# Altium PCB RS2-708_V008.PcbDoc (part 1 of 4) (continued)
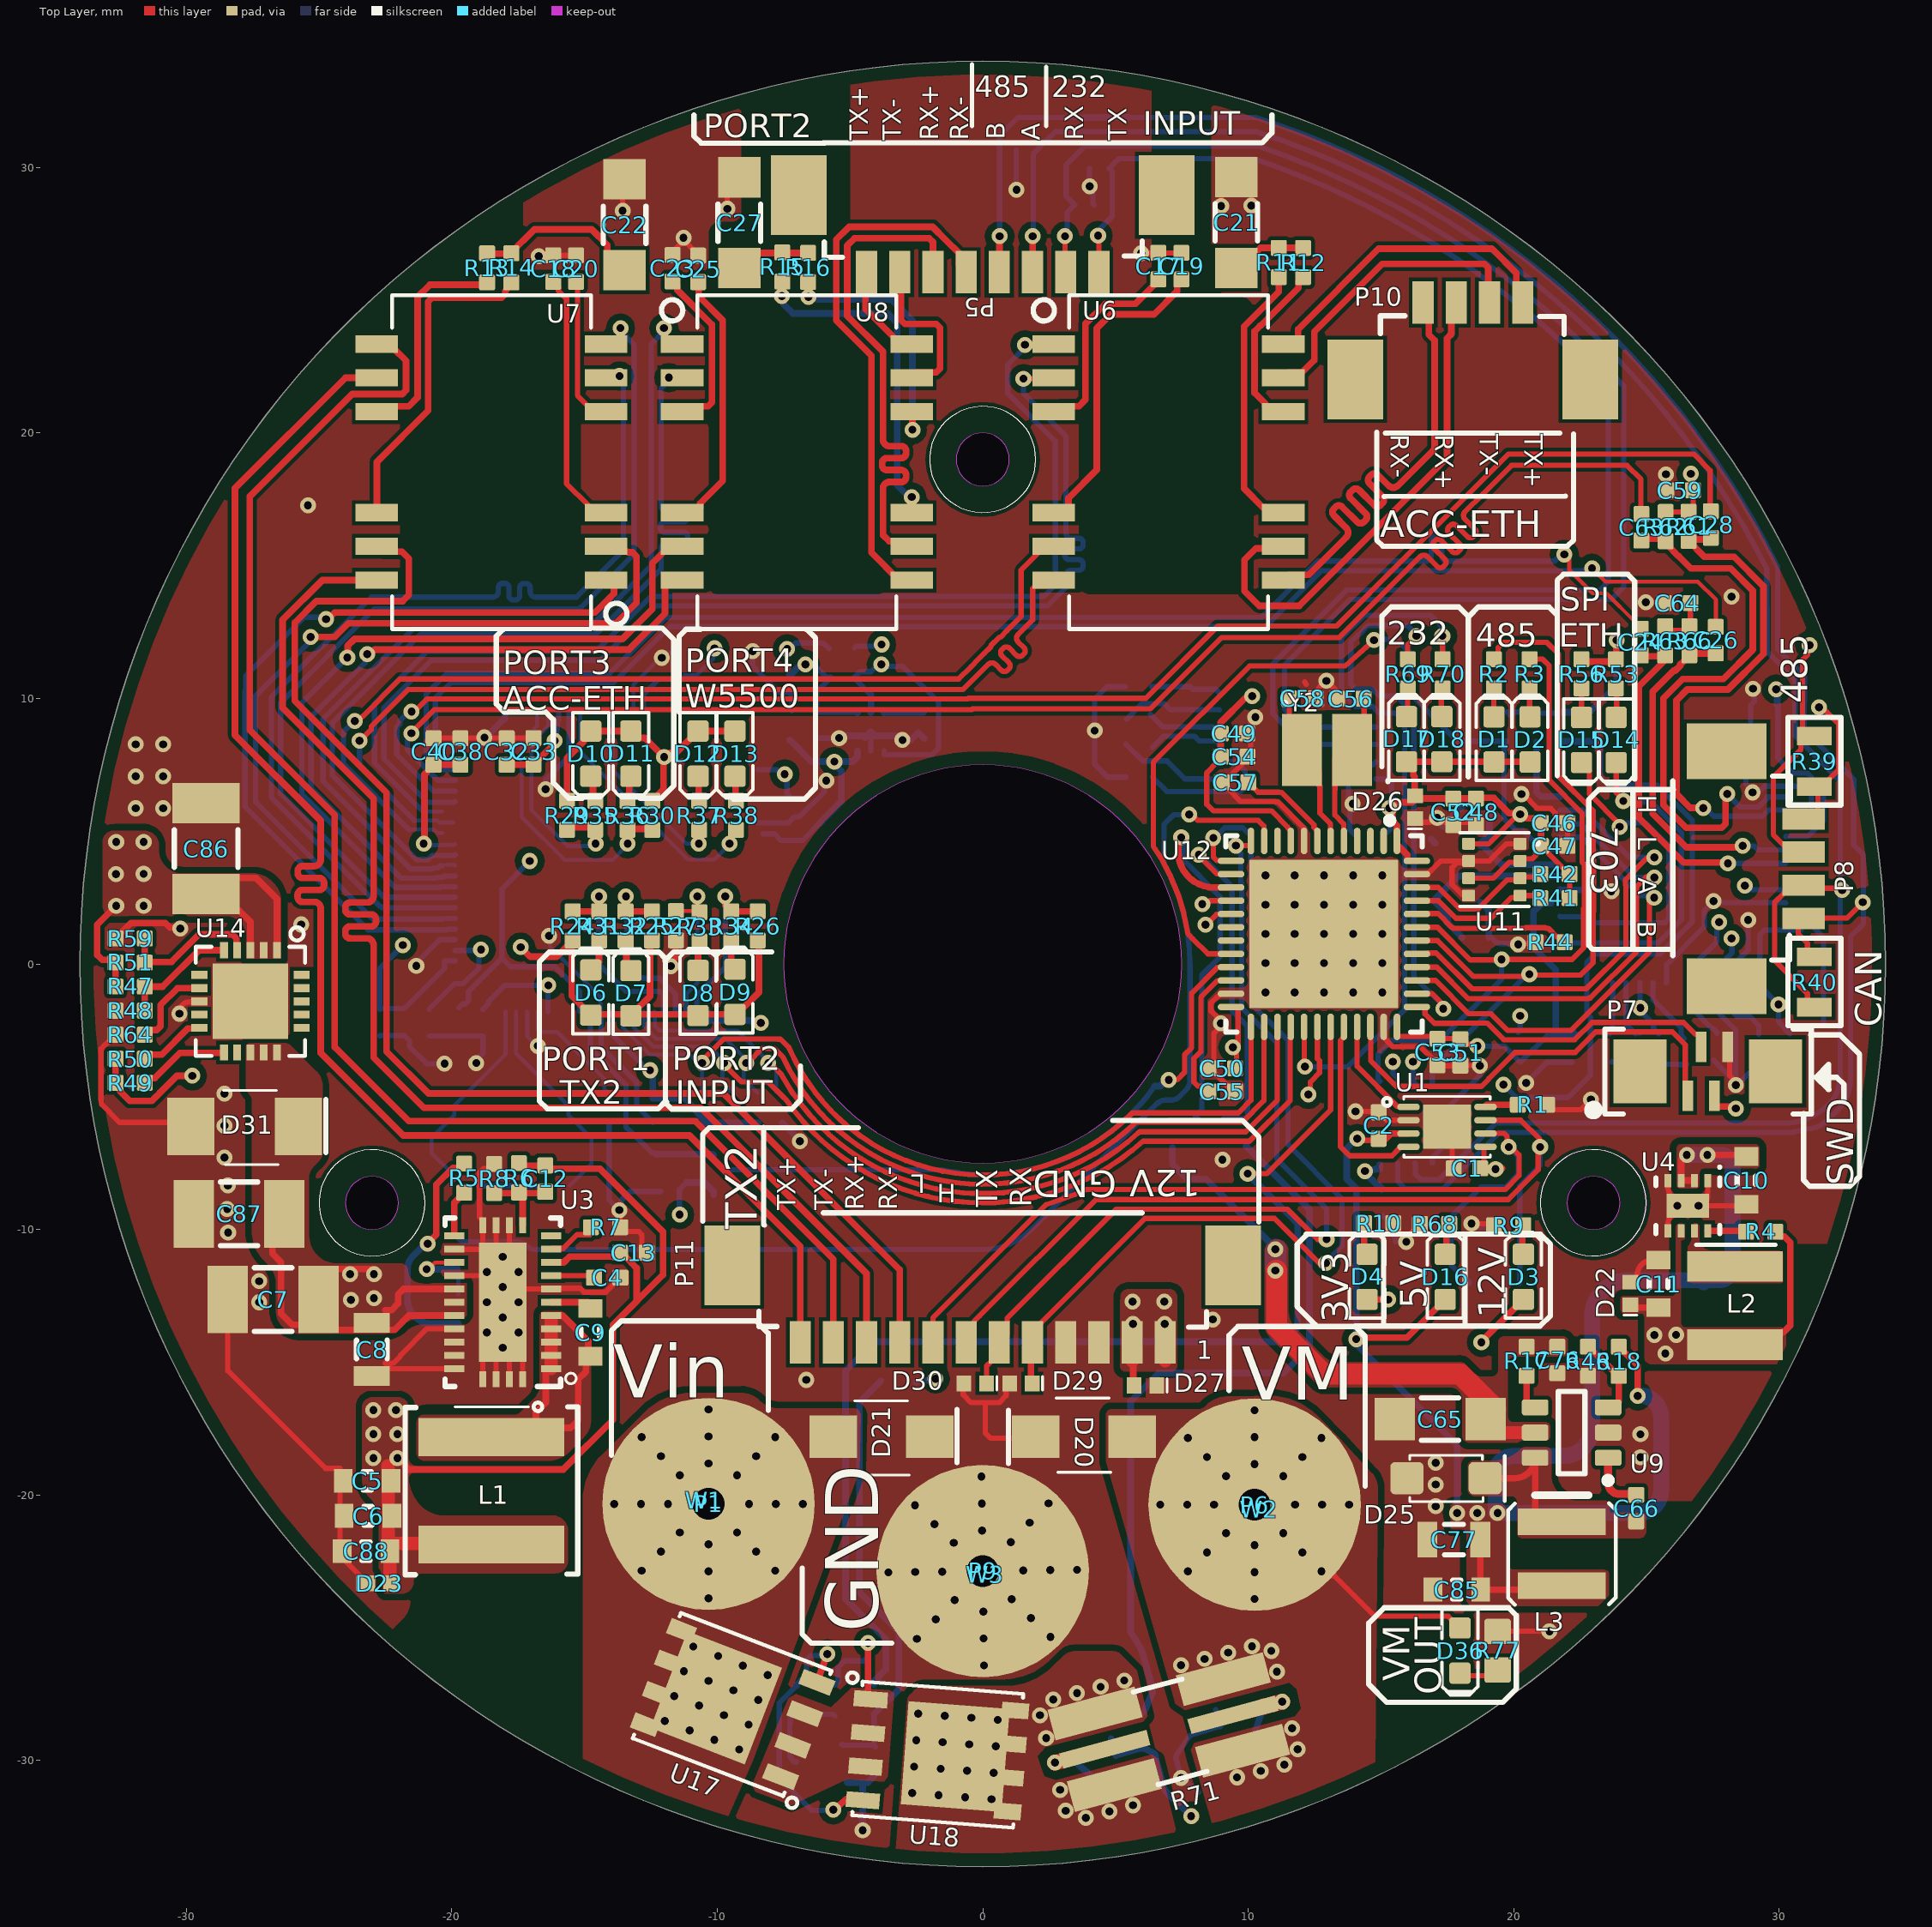
[diagram p0: Top Layer view]
## Components (designator, comment, footprint, x,y, rotation, side; value= is the part's Value field where it differs from the comment)
C1 "Capacitor" CAP0402 18.237,-7.702 r180 top
C2 "Capacitor" CAP0402 14.907,-6.088 r90 top
C3 "Capacitor" CAP0402 15.074,-8.989 r270 bottom
C4 "Capacitor" CAP0402 -14.146,-11.815 r0 top
C5 "Capacitor" CAP0603 -23.185,-19.468 r180 top
C6 "Capacitor" CAP0603 -23.152,-20.784 r180 top value=10uF
C7 "Capacitor" CAP1210 -26.727,-12.639 r0 top
C8 "Capacitor" CAP0805 -23.008,-14.518 r270 top
C9 "Capacitor" CAP0603 -14.778,-13.878 r90 top
C10 "Capacitor" CAP0603 28.761,-8.151 r270 top value=10uF
C11 "Capacitor" CAP0603 25.452,-12.047 r90 top value=22uF
C12 "Capacitor" CAP0402 -16.478,-8.089 r270 top
C13 "Capacitor" CAP0402 -13.16,-10.874 r180 top
C14 "Capacitor" CAP0402 -6.248,8.992 r270 bottom
C15 "Capacitor" CAP0402 -7.214,9.034 r90 bottom
C16 "Capacitor" CAP0402 -2.21,8.992 r270 bottom
C17 "Capacitor" CAP0402 6.616,26.279 r90 top
C18 "Capacitor" CAP0402 -16.18,26.187 r90 top
C19 "Capacitor" CAP0402 7.48,26.279 r90 top
C20 "Capacitor" CAP0402 -15.316,26.187 r90 top
C21 "Capacitor" CAP1206 9.55,27.923 r90 top
C22 "Capacitor" CAP1206 -13.487,27.838 r90 top
C23 "Capacitor" CAP0402 -11.681,26.197 r90 top
C24 "Capacitor" CAP0402 24.787,12.12 r90 top
C25 "Capacitor" CAP0402 -10.718,26.178 r90 top
C26 "Capacitor" CAP0402 27.606,12.196 r90 top
C27 "Capacitor" CAP1206 -9.169,27.915 r90 top
C28 "Capacitor" CAP0402 27.424,16.546 r90 top
C29 "Capacitor" CAP0402 -16.041,-8.162 r180 bottom
C30 "Capacitor" CAP0402 -19.507,-8.185 r0 bottom
C31 "Capacitor" CAP0603 -12.319,-7.772 r270 bottom value=10uF
C32 "Capacitor" CAP0402 -17.927,7.998 r90 top
C33 "Capacitor" CAP0402 -16.923,8.007 r90 top
C34 "Capacitor" CAP0402 -7.29,5.842 r270 bottom
C35 "Capacitor" CAP0402 -19.787,-2.21 r270 bottom
C36 "Capacitor" CAP0402 -22.708,-2.21 r270 bottom
C37 "Capacitor" CAP0402 -21.793,-2.184 r270 bottom
C38 "Capacitor" CAP0402 -19.671,7.999 r90 top
C39 "Capacitor" CAP0402 -18.821,-2.21 r270 bottom
C40 "Capacitor" CAP0402 -20.686,7.999 r90 top
C41 "Capacitor" CAP0402 -20.853,-2.21 r270 bottom
C42 "Capacitor" CAP0402 -11.455,-5.41 r270 bottom
C43 "Capacitor" CAP0402 -12.446,-5.41 r270 bottom
C44 "Capacitor" CAP0402 -6.121,5.817 r90 bottom
C45 "Capacitor" CAP0402 -11.227,11.227 r90 bottom
C46 "Capacitor" CAP0402 21.522,5.31 r0 top
C47 "Capacitor" CAP0402 21.525,4.445 r0 top
C48 "Capacitor" CAP0402 18.573,5.731 r270 top
C49 "Capacitor" CAP0402 9.462,8.676 r0 top
C50 "Capacitor" CAP0402 9.006,-3.931 r180 top
C51 "Capacitor" CAP0402 17.991,-3.329 r270 top
C52 "Capacitor" CAP0402 17.72,5.732 r270 top
C53 "Capacitor" CAP0402 17.126,-3.318 r270 top
C54 "Capacitor" CAP0402 9.472,7.808 r180 top
C55 "Capacitor" CAP0402 9.006,-4.801 r0 top
C56 "Capacitor" CAP0402 13.845,9.995 r0 top
C57 "Capacitor" CAP0402 9.498,6.841 r180 top
C58 "Capacitor" CAP0402 12.041,10.001 r180 top
C59 "Capacitor" CAP0402 26.248,17.842 r180 top
C60 "Capacitor" CAP0402 18.661,0.991 r180 bottom
C61 "Capacitor" CAP0402 18.585,5.944 r0 bottom
C62 "Capacitor" CAP0402 26.51,-3.125 r270 bottom
C63 "Capacitor" CAP0402 24.808,16.445 r90 top
C64 "Capacitor" CAP0402 26.158,13.593 r180 top
C65 "Capacitor" CAP1206 17.228,-17.144 r180 top
C66 "Capacitor" CAP0402 24.612,-20.496 r270 top
C67 "Capacitor" CAP0402 29.427,9.748 r180 bottom
C68 "Capacitor" CAP0402 29.442,8.866 r180 bottom
C69 "Capacitor" CAP0402 27.53,-3.122 r270 bottom
C70 "Capacitor" CAP0402 25.468,-3.125 r270 bottom
C71 "Capacitor" CAP0402 29.354,-3.125 r270 bottom
C72 "Capacitor" CAP0402 30.396,-3.125 r270 bottom
C73 "Capacitor" CAP0402 22.195,-3.199 r270 bottom
C74 "Capacitor" CAP0402 21.256,-3.199 r270 bottom
C75 "Capacitor" CAP0402 24.579,-3.125 r270 bottom
C76 "Capacitor" CAP0402 21.641,-14.916 r270 top
C77 "Capacitor" CAP0805 17.743,-21.682 r180 top
C78 "Capacitor" CAP0402 14.58,4.801 r180 bottom
C79 "Capacitor" CAP0402 5.918,9.22 r180 bottom
C80 "Capacitor" CAP0402 5.893,8.28 r0 bottom
C81 "Capacitor" CAP0402 5.893,7.036 r180 bottom
C82 "Capacitor" CAP0402 5.867,10.439 r180 bottom
C83 "Capacitor" CAP0402 9.054,-6.313 r270 bottom
C84 "Capacitor" CAP0402 7.65,-31.325 r14.62 bottom
C85 "Capacitor" CAP0603 17.859,-23.565 r180 top
C86 "Capacitor" CAP1210 -29.25,4.344 r90 top value=4.7uF
C87 "Capacitor" CAP1210 -28.01,-9.413 r180 top value=4.7uF
C88 "Capacitor" CAP0603 -23.228,-22.115 r180 top value=10uF
D1 "LED" LED-0603-YELLOW 19.256,8.456 r90 top
D2 "LED" LED-0603-GREEN 20.614,8.456 r90 top
D3 "LED" LED-0603-RED 20.365,-11.785 r90 top
D4 "LED" LED-0603-RED 14.476,-11.785 r90 top
D5 "Diode" SOD523 -10.135,-7.95 r90 bottom
D6 "LED" LED-0603-GREEN -14.761,-1.079 r90 top
D7 "LED" LED-0603-YELLOW -13.252,-1.101 r90 top
D8 "LED" LED-0603-GREEN -10.724,-1.095 r90 top
D9 "LED" LED-0603-YELLOW -9.332,-1.052 r90 top
D10 "LED" LED-0603-GREEN -14.761,7.919 r270 top
D11 "LED" LED-0603-YELLOW -13.252,7.919 r270 top
D12 "LED" LED-0603-GREEN -10.724,7.919 r270 top
D13 "LED" LED-0603-YELLOW -9.332,7.919 r270 top
D14 "LED" LED-0603-GREEN 23.859,8.436 r270 top
D15 "LED" LED-0603-YELLOW 22.556,8.436 r270 top
D16 "LED" LED-0603-RED 17.42,-11.785 r90 top
D17 "LED" LED-0603-YELLOW 15.963,8.464 r90 top
D18 "LED" LED-0603-GREEN 17.294,8.464 r90 top
D19 "Zener" SOD-323F -5.537,-26.207 r180 bottom
D20 "TVS-Bidirectional" DO-214AB 2,-17.8 r0 top
D21 "TVS-Bidirectional" DO-214AB -2,-17.8 r180 top
D22 "TVS-Bidirectional" SLP1006P2T 24.396,-12.413 r90 top
D23 "TVS-Bidirectional" SLP1006P2T -22.728,-23.333 r0 top
D24 "TVS-Bidirectional" SLP1006P2T -7.192,10.535 r270 bottom
D25 "Diode" SOD-123F 17.451,-19.368 r180 top
D26 "TVS-Bidirectional" SLP1006P2T 16.281,5.9 r90 top
D27 "TVS-Bidirectional" SLP1006P2T 6.131,-15.875 r180 top
D29 "TVS-Bidirectional" SLP1006P2T 1.441,-15.795 r180 top
D30 "TVS-Bidirectional" SLP1006P2T -0.28,-15.795 r180 top
D31 "Schottky" DO-214AC -25.775,-6.116 r180 top
D33 "TVS- 3-pin" SOT23-BAT54 19.277,-10.971 r90 bottom
D34 "TVS-Bidirectional" SLP1006P2T 3.868,28.588 r180 bottom
D35 "TVS-Bidirectional" SLP1006P2T 4.355,29.953 r0 bottom
D36 "LED" LED-0603-RED 17.975,-25.86 r270 top
D37 "SM712-TP" SOT23-BAT54 1.261,29.602 r90 bottom
FB1 "Ferrite Bead" RES0402 -5.791,11.328 r270 bottom
FB2 "Ferrite Bead" RES0402 -4.826,11.354 r270 bottom
FB3 "Ferrite Bead" RES0402 20.24,-3.148 r270 bottom
L1 "Inductor" "IND_ XAL6060-682MEB" -18.505,-17.824 r270 top
L2 "Inductor" IFSC-1515AH-ER2R2M01 28.34,-12.864 r270 top
L3 "Inductor" IND_74404043---A 21.809,-22.215 r270 top
P1 "Wurth-7466113" 7466113_V2 -10.328,-20.335 r0 top locked
P5 "PICOBLADE-1.25mm" 532617008 0,27.5 r0 top locked
P6 "Wurth-7466113" 7466113_V2 10.241,-20.364 r0 top locked
P7 "Verticcal  FFC" AFC11-S04ICC-00 26.558,-4.97 r0 top
P8 "PICOBLADE-1.25mm" 532617004 29.468,3.587 r90 top
P9 "Wurth-7466113" 7466113_V2 0,-22.866 r0.8 top locked
P10 "PICOBLADE-1.25mm" 532617004 18.463,23.465 r180 top
P11 "PICOBLADE-1.25mm" 532617012 0,-12.8 r0 top locked
R1 "Resistor" RES0402 20.705,-5.303 r180 top
R2 "Resistor" RES0402 19.253,10.928 r270 top
R3 "Resistor" RES0402 20.598,10.928 r270 top
R4 "Resistor" RES0402 29.304,-10.088 r180 top
R5 "Resistor" RES0402 -19.526,-8.07 r90 top
R6 "Resistor" RES0402 -17.469,-8.057 r90 top
R7 "Resistor" RES0402 -14.205,-9.918 r180 top
R8 "Resistor" RES0402 -18.399,-8.081 r270 top
R9 "Resistor" RES0402 19.811,-9.844 r0 top
R10 "Resistor" RES0402 14.912,-9.762 r180 top
R11 "Res" RES0402 11.151,26.416 r270 top
R12 "Res" RES0402 12.065,26.416 r270 top
R13 "Res" RES0402 -18.669,26.213 r270 top
R14 "Res" RES0402 -17.755,26.213 r270 top
R15 "Res" RES0402 -7.548,26.246 r270 top
R16 "Res" RES0402 -6.576,26.23 r270 top
R17 "Resistor" RES0402 20.482,-14.966 r90 top
R18 "Resistor" RES0402 23.958,-14.966 r90 top
R19 "Resistor" RES0402 -8.458,-5.436 r270 bottom
R20 "Resistor" RES0402 -10.414,-5.436 r270 bottom
R21 "Resistor" RES0402 -9.423,-5.436 r270 bottom
R22 "Resistor" RES0402 -7.544,-5.436 r270 bottom
R23 "Resistor" RES0402 -14.072,-5.436 r90 bottom
R24 "Resistor" RES0402 -15.443,1.431 r270 top
R25 "Resistor" RES0402 -12.458,1.431 r270 top
R26 "Resistor" RES0402 -8.477,1.431 r270 top
R27 "Resistor" RES0402 -11.555,1.439 r270 top
R28 "Resistor" RES0402 -11.151,-7.671 r90 bottom
R29 "Resistor" RES0402 -15.655,5.599 r90 top
R30 "Resistor" RES0402 -12.446,5.599 r90 top
R31 "Resistor" RES0402 -14.448,1.431 r270 top
R32 "Resistor" RES0402 -13.453,1.431 r270 top
R33 "Resistor" RES0402 -10.672,1.398 r270 top
R34 "Resistor" RES0402 -9.472,1.431 r270 top
R35 "Resistor" RES0402 -14.596,5.599 r90 top
R36 "Resistor" RES0402 -13.381,5.599 r90 top
R37 "Resistor" RES0402 -10.678,5.599 r90 top
R38 "Resistor" RES0402 -9.294,5.599 r90 top
R39 "Res" RES0805 31.325,7.632 r90 top value=120
R40 "Res" RES0805 31.325,-0.678 r270 top value=120
R41 "Res" RES0402 21.554,2.479 r180 top value=4.7K
R42 "Res" RES0402 21.554,3.384 r180 top value=4.7K
R43 "Res" RES0402 7.143,-6.377 r270 bottom value=47K
R44 "Resistor" RES0402 21.372,0.815 r180 top
R45 "Res" RES0402 8.125,-6.395 r90 bottom value=3.3K
R46 "Resistor" RES0402 22.799,-14.966 r90 top
R47 "Resistor" RES0402 -32.112,-0.854 r180 top
R48 "Resistor" RES0402 -32.112,-1.759 r0 top
R49 "Resistor" RES0402 -32.112,-4.475 r0 top
R50 "Resistor" RES0402 -32.112,-3.57 r0 top
R51 "Resistor" RES0402 -32.112,0.051 r180 top
R52 "Resistor" RES0402 21.835,8.932 r90 bottom
R53 "Resistor" RES0402 23.848,10.928 r90 top
R54 "Resistor" RES0402 19.745,8.938 r90 bottom
R55 "Resistor" RES0402 20.92,8.932 r90 bottom
R56 "Resistor" RES0402 22.55,10.928 r90 top
R57 "Resistor" RES0402 31.64,-3.073 r270 bottom
R58 "Resistor" RES0402 20.21,3.496 r90 bottom
R59 "Resistor" RES0402 -32.112,0.957 r0 top
R60 "Resistor" RES0402 23.614,-3.175 r90 bottom
R61 "Res" RES0402 26.586,16.479 r270 top
R62 "Res" RES0402 25.722,16.47 r90 top
R63 "Res" RES0402 25.701,12.17 r270 top
R64 "Resistor" RES0402 -32.112,-2.664 r0 top
R65 "Resistor" RES0402 -3.058,-15.752 r0 bottom
R66 "Res" RES0402 26.616,12.17 r90 top
R67 "Resistor" RES0402 -19.752,-10.886 r90 bottom
R68 "Resistor" RES0402 17.019,-9.794 r0 top
R69 "Resistor" RES0402 16.008,10.928 r270 top
R70 "Resistor" RES0402 17.318,10.928 r270 top
R71 "Resistor_Kelvin" "RES2512 - KELVIN" 7.01,-28.93 r15 top
R72 "Resistor" RES0402 -5.569,-27.709 r270 bottom
R73 "Resistor" RES0402 -7.044,-27.709 r270 bottom
R74 "Resistor" RES0402 -4.094,-27.709 r270 bottom
R75 "Resistor" RES0402 -4.094,-30.048 r270 bottom
R76 "Resistor" RES0402 9.916,-6.31 r270 bottom
R77 "Resistor" RES0603 19.392,-25.866 r270 top
R78 "Resistor" RES0402 -19.744,-12.996 r270 bottom
T1 "NPN" DFN2020D-3 -5.959,-30.17 r180 bottom
U1 "MCP2558FDT-H/MNY" TDFN8_2x3_MN 17.488,-6.138 r0 top
U2 "RS485 Tranceiver" MAX22501EATA+ 15.956,-5.996 r0 bottom
U3 "LM76003RNPR" LM76003 -18.077,-12.742 r180 top
U4 "3-17v Switching Reg" TPS6216X 26.558,-9.106 r270 top
U5 "MIC5309-xx" MIC5309 -4.216,8.738 r90 bottom
U6 "Ethernet Transformer" 749020100 7,18.9 r0 top locked
U7 "Ethernet Transformer" 749020100 -18.5,18.9 r180 top locked
U8 "Ethernet Transformer" 749020100 -7,18.9 r0 top locked
U9 "IC REG BUCK ADJ 600MA TSOT23-6" SOT23-6 22.181,-17.651 r180 top
U10 "KSZ8795CLX" KSZ8795CLX -14.173,3.912 r0 bottom locked
U11 "\" BME280 19.27,3.551 r0 top
U12 "STM32F413CHU6" STM-UFQFPN48_M 12.852,1.13 r270 top locked
U13 "W5500_LQFP48" "LQFP-48, 7x7mm, 0.5mm pitch" 25.993,3.543 r180 bottom locked
U14 "MAX17613AATP+" "20-WQFN (4x4) / 20-TQFN" -27.58,-1.408 r270 top
U16 "2/2 RS232 Tranceiver" ST3232ECTR 11.862,9.246 r0 bottom locked
U17 "P-Fet" SO-8_PowerPAK#1 -9.478,-27.855 r158.98 top
U18 "P-Fet" SO-8_PowerPAK#2 -1.642,-29.808 r355.58 top
U19 "Current Sense" AD8418BRMZ 6.894,-28.95 r195.46 bottom
W1 "Wiring Crimnp" Power_M3_Eyelet_Up -10.488,-20.205 r312 top
W2 "Wiring Crimnp" Power_M3_Eyelet_Up 10.406,-20.536 r0 top
W3 "Wiring Crimnp" Power_M3_Eyelet_Up 0.094,-22.991 r340.52 top
Y1 "Osc" "ABM7 Oscillator" -17.755,-5.69 r180 bottom locked
Y2 "Osc" "2-SMD-XTAL (3.2x2.5)" 12.969,8.059 r0 top value=8MHz
Y3 "Crystal_4Pin_ABM8G" CRYSTAL_ABM8G 17.988,3.442 r90 bottom

## Footprints (in the part's own frame and the unit in brackets; to place one, negate y for a bottom-side part, rotate by r counter-clockwise, add the part's x,y. Pads: shape width x height; smd on the part's side, far side on the other; paste and mask are expansions set on the pad)
"2-SMD-XTAL (3.2x2.5)" [mm] "DFN, 2-Leads, Body 2.50x3.20mm, Pitch 1.90mm, IPC Medium Density"
  rect 1.5x2.7 smd: 1(-0.95,0) 2(0.95,0)
  silkscreen extent -1.67,1.68 -1.53,1.82, body extent -1.65,-1.3 1.65,1.3, height 1
"20-WQFN (4x4) / 20-TQFN" [mm]
  rect 0.6x0.3 smd paste+0 mask+0.05: 1(-1.925,1) 2(-1.925,0.5) 3(-1.925,0) 4(-1.925,-0.5) 5(-1.925,-1) 11(1.925,-1) 12(1.925,-0.5) 13(1.925,0) 14(1.925,0.5) 15(1.925,1)
  rect 0.3x0.6 smd paste+0 mask+0.05: 6(-1,-1.925) 7(-0.5,-1.925) 8(0,-1.925) 9(0.5,-1.925) 10(1,-1.925) 16(1,1.925) 17(0.5,1.925) 18(0,1.925) 19(-0.5,1.925) 20(-1,1.925)
  rect 2.85x2.85 smd paste+0 mask+0.05: 21(0,0)
  silkscreen extent -2.79,-2.06 2.06,2.06, body extent -2.01,-2 2,2.01, height 0.91
7466113_V2 [mm] "Wurth RedCube Power connector"
  round 8 smd: 1(0,0)
  body extent -3.53,-3.59 3.47,3.41, height 8.01
532617004 [mm] "4POS Picoblade 1.25mm"
  rect 0.8x1.6 smd: 1(1.875,-1.45) 2(0.625,-1.45) 3(-0.625,-1.45)
  rect 0.8x1.6 smd paste+0: 4(-1.875,-1.45)
  rect 2.1x3 smd: 5(-4.425,1.45) 6(4.425,1.45)
  silkscreen extent -3.44,-0.95 3.49,3.48, body extent -5.1,-1.76 5.05,3.44, height 3.41
532617008 [mm] "8POS Picoblade 1.25mm"
  rect 0.8x1.6 smd: 1(4.375,-1.45) 2(3.125,-1.45) 3(1.875,-1.45) 4(0.625,-1.45) 5(-0.625,-1.45) 6(-1.875,-1.45) 7(-3.125,-1.45)
  rect 0.8x1.6 smd paste+0: 8(-4.375,-1.45)
  rect 2.1x3 smd: 9(-6.925,1.45) 10(6.925,1.45)
  silkscreen extent -6,-0.88 6,3.43, body extent -7.58,-1.71 7.57,3.49, height 3.41
532617012 [mm] "12POS Picoblade 1.25mm"
  rect 0.8x1.6 smd: 1(6.875,-1.45) 2(5.625,-1.45) 3(4.375,-1.45) 4(3.125,-1.45) 5(1.875,-1.45) 6(0.625,-1.45) 7(-0.625,-1.45) 8(-1.875,-1.45) 9(-3.125,-1.45) 11(-5.625,-1.45) 12(-6.875,-1.45)
  rect 0.8x1.6 smd paste+0: 10(-4.375,-1.45)
  rect 2.1x3 smd: 13(9.425,1.45) 14(-9.425,1.45)
  silkscreen extent -8.43,-0.87 8.43,3.43, body extent -10.07,-1.72 10.08,3.48, height 3.41
749020100 [mm] "Wurth Ethernet Magnetic Transformer"
  rect 1.6x0.65 smd paste+0 mask+0: 1(-4.32,4.445) 2(-4.32,3.175) 3(-4.32,1.905) 6(-4.32,-1.905) 7(-4.32,-3.175) 8(-4.32,-4.445) 9(4.32,-4.445) 10(4.32,-3.175) 11(4.32,-1.905) 14(4.32,1.905) 15(4.32,3.175) 16(4.32,4.445)
  silkscreen extent -5.1,-6.29 3.75,6.29, body extent -4.75,-6.22 4.75,6.22, height 2.94
"ABM7 Oscillator" [mm] "CRYSTAL 25.0000MHZ 18PF SMD"
  rect 1.9x2.6 smd: 1(-2.15,0) 2(2.15,0)
  silkscreen extent -4.24,-1.88 3.3,1.88, body extent -3.13,-1.77 3.07,1.93, height 1.41
AD8418BRMZ [mil]
  rect 70x17 smd paste+0 mask+0: 1(-80.5,38.39) 2(-80.5,12.8) 3(-80.5,-12.8) 4(-80.5,-38.39) 5(80.5,-38.39) 6(80.5,-12.8) 7(80.5,12.8) 8(80.5,38.39)
  silkscreen extent -68,-68 68,68, body extent -101,-63 102,63, height 43
AFC11-S04ICC-00 [mm] "FFV 4-way  vertical"
  rect 0.4x1.15 smd: 1(0,0) 2(0.5,1.85) 3(1,0) 4(1.5,1.85)
  rect 2x2.4 smd: 5(-1.8,0.925) 6(3.3,0.925)
  silkscreen extent -3.71,-0.69 4.65,2.51, body extent -3.02,-0.58 4.58,2.42, height 4.8
BME280 [mm] "2.5x2.5mm Temperature, Absolute Pressure, Humidity sensor"
  rrect25% 0.49x0.45 smd: 1(0.97,0.975) 2(0.97,0.325) 3(0.97,-0.325) 4(0.97,-0.975) 5(-0.97,-0.975) 6(-0.97,-0.325) 7(-0.97,0.325) 8(-0.97,0.975)
  silkscreen extent -1.3,-1.39 1.65,1.39, body extent -1.27,-1.27 1.23,1.23, height 1.01
CAP0402 [mm] "Chip Capacitor, 2-Leads, Body 1.00x0.50mm, IPC Medium Density"
  rrect20% 0.6x0.6 smd: 1(-0.5,0) 2(0.5,0)
  body extent -0.52,-0.27 0.53,0.28, height 0.55
CAP0603 [mm] "Chip Capacitor, 2-Leads, Body 1.6x0.8mm, IPC Medium Density"
  rect 0.7x0.9 smd: 1(-0.9,0) 2(0.9,0)
  silkscreen extent -0.15,-0.35 0.15,0.35, body extent -0.8,-0.4 0.8,0.4, height 0.3
CAP0805 [mm] "Chip Capacitor, 2-Leads, Body 2.0x1.2mm, IPC Medium Density"
  rect 0.75x1.35 smd: 1(-1,0) 2(1,0)
  silkscreen extent -0.35,-0.58 0.35,0.58, body extent -1,-0.63 1,0.62, height 0.78
CAP1206 [mm] "Chip Capacitor, 2-Leads, Body 3.2x1.6mm, IPC Medium Density"
  rect 1.52x1.6 smd: 1(-1.71,0) 2(1.71,0)
  silkscreen extent -0.7,-0.8 0.7,0.8, body extent -1.6,-0.8 1.6,0.8, height 1
CAP1210 [mm] "Chip Capacitor, 2-Leads, Body 3.2x2.5mm, IPC Medium Density"
  rect 1.52x2.54 smd: 1(-1.71,0) 2(1.71,0)
  silkscreen extent -0.7,-1.2 0.7,1.2, body extent -1.6,-1.25 1.6,1.25, height 0.92
CRYSTAL_ABM8G [mil]
  rect 55x47 smd: 1(-43.5,-33.5) 2(43.5,-33.5) 3(43.5,33.5) 4(-43.5,33.5)
  silkscreen extent -81,-67 81,67, body extent -63,-49 63,49, height 40
DFN2020D-3 [mm]
  rect 0.6x0.4 smd: 1(-0.85,0.65) 2(-0.85,-0.65) 3(0.85,0)
  rect 1.1x1.6 smd: 3(0.25,0)
  silkscreen extent -1.59,-0.97 1.01,1.02, body extent -1,-0.97 1,1.03, height 0.66
DO-214AB [mm]
  rect 1.794x1.601 smd paste+0 mask+0: 1(0,0) 2(3.629,0)
  silkscreen extent -1.03,-1.35 2.83,1.45, body extent -0.83,-1.4 4.46,1.4, height 2.35
DO-214AC [mm]
  rect 1.78x2.16 smd paste+0 mask+0.05: 1(0,0) 2(4.05,0)
  silkscreen extent -1.03,-1.35 2.83,1.45, body extent -0.57,-1.3 4.63,1.3, height 2.42
IFSC-1515AH-ER2R2M01 [mm]
  rect 1.15x3.6 smd paste+0 mask+0: 1(-1.475,0) 2(1.475,0)
  silkscreen extent -2.29,-1.48 -2.29,1.52, body extent -2,-2.03 2,1.97, height 1.81
IND_74404043---A [mm] "'Inductor WURTH"
  rect 1x3.3 smd: 1(-1.2,0) 2(1.2,0)
  silkscreen extent -2.21,-2.02 1.92,2.03, body extent -2,-2 2,2, height 2.16
"IND_ XAL6060-682MEB" [mm] "Fixed Inductors 6.8uH 20% 9A 20.8mOhms AEC-Q200"
  rect 1.43x5.5 smd: 1(0,0) 2(4.04,0)
  silkscreen extent -1.3,-3.25 5.18,3.25, body extent -1.14,-3.25 5.13,3.25, height 6.1
KSZ8795CLX [mm]
  rect 1x0.2 smd: 1(-5.7,3.8) 2(-5.7,3.4) 3(-5.7,3) 4(-5.7,2.6) 5(-5.7,2.2) 6(-5.7,1.8) 7(-5.7,1.4) 8(-5.7,1) 9(-5.7,0.6) 10(-5.7,0.2) 11(-5.7,-0.2) 12(-5.7,-0.6) 13(-5.7,-1) 14(-5.7,-1.4) 15(-5.7,-1.8) 16(-5.7,-2.2) 17(-5.7,-2.6) 18(-5.7,-3) 19(-5.7,-3.4) 20(-5.7,-3.8) 41(5.7,-3.8) 42(5.7,-3.4) 43(5.7,-3) 44(5.7,-2.6) 45(5.7,-2.2) 46(5.7,-1.8) 47(5.7,-1.4) 48(5.7,-1) 49(5.7,-0.6) 50(5.7,-0.2) 51(5.7,0.2) 52(5.7,0.6) 53(5.7,1) 54(5.7,1.4) 55(5.7,1.8) 56(5.7,2.2) 57(5.7,2.6) 58(5.7,3) 59(5.7,3.4) 60(5.7,3.8)
  rect 0.2x1 smd: 21(-3.8,-5.7) 22(-3.4,-5.7) 23(-3,-5.7) 24(-2.6,-5.7) 25(-2.2,-5.7) 26(-1.8,-5.7) 27(-1.4,-5.7) 28(-1,-5.7) 29(-0.6,-5.7) 30(-0.2,-5.7) 31(0.2,-5.7) 32(0.6,-5.7) 33(1,-5.7) 34(1.4,-5.7) 35(1.8,-5.7) 36(2.2,-5.7) 37(2.6,-5.7) 38(3,-5.7) 39(3.4,-5.7) 40(3.8,-5.7) 61(3.8,5.7) 62(3.4,5.7) 63(3,5.7) 64(2.6,5.7) 65(2.2,5.7) 66(1.8,5.7) 67(1.4,5.7) 68(1,5.7) 69(0.6,5.7) 70(0.2,5.7) 71(-0.2,5.7) 72(-0.6,5.7) 73(-1,5.7) 74(-1.4,5.7) 75(-1.8,5.7) 76(-2.2,5.7) 77(-2.6,5.7) 78(-3,5.7) 79(-3.4,5.7) 80(-3.8,5.7)
  silkscreen extent -6.01,-5.05 5.05,5.05, body extent -6.02,-6.05 6,5.97, height 1.62
LED-0603-GREEN [mm]
  round 0.254 on Mech15: 0(0,0)
  rrect25% 0.8x0.8 smd: 1(0.85,0) 2(-0.85,0)
  Top Layer pour cut-out: -0.5,0.5 0.5,0.5 0.5,-0.5 -0.5,-0.5
  silkscreen extent -1.55,-0.68 1.68,0.68, body extent -0.8,-0.4 0.8,0.4, height 0.75
LED-0603-RED [mm]
  round 0.254 on Mech15: 0(0,0)
  rrect25% 0.8x0.8 smd: 1(0.85,0) 2(-0.85,0)
  Top Layer pour cut-out: -0.5,0.5 0.5,0.5 0.5,-0.5 -0.5,-0.5
  silkscreen extent -1.55,-0.67 1.68,0.67, body extent -0.8,-0.4 0.8,0.4, height 0.75
LED-0603-YELLOW [mm]
  round 0.254 on Mech15: 0(0,0)
  rrect25% 0.8x0.8 smd: 1(0.85,0) 2(-0.85,0)
  Top Layer pour cut-out: -0.5,0.5 0.5,0.5 0.5,-0.5 -0.5,-0.5
  silkscreen extent -1.55,-0.68 1.68,0.68, body extent -0.8,-0.4 0.8,0.4, height 0.75
LM76003 [mm] "Buck Switching Regulator IC Positive Adjustable 1V 1 Output 3.5A 30-WFQFN Exposed Pad"
  rect 0.75x0.25 smd paste+0 mask+0.051: 1(-1.825,2.5) 2(-1.825,2) 3(-1.825,1.5) 4(-1.825,1) 5(-1.825,0.5) 6(-1.825,0) 7(-1.825,-0.5) 8(-1.825,-1) 9(-1.825,-1.5) 10(-1.825,-2) 11(-1.825,-2.5) 16(1.825,-2.5) 17(1.825,-2) 18(1.825,-1.5) 19(1.825,-1) 20(1.825,-0.5) 21(1.825,0) 22(1.825,0.5) 23(1.825,1) 24(1.825,1.5) 25(1.825,2) 26(1.825,2.5)
  rect 0.25x0.6 smd paste+0 mask+0.051: 12(-0.75,-2.9) 13(-0.25,-2.9) 14(0.25,-2.9) 15(0.75,-2.9) 27(0.75,2.9) 28(0.25,2.9) 29(-0.25,2.9) 30(-0.75,2.9)
  round 0.6 hole 0.3 mask+0.102: 31(-0.6,1.14) 31(-0.6,0) 31(-0.6,-1.14) 31(0,1.71) 31(0,0.57) 31(0,-0.57) 31(0,-1.71) 31(0.6,1.14) 31(0.6,0) 31(0.6,-1.14)
  rect 1.8x4.5 smd paste-2.237 mask+0.051: 31(0,0)
  silkscreen extent -2.77,-3.18 2.17,3.18, body extent -2,-3 2,3, height 0.8
"LQFP-48, 7x7mm, 0.5mm pitch" [mm] "TSQFP, 48-Leads, Body 7,00x7,00mm, Pitch 0,50mm, IPC Medium Density"
  oval 1.45x0.3 smd: 1(-4.25,2.75) 2(-4.25,2.25) 3(-4.25,1.75) 4(-4.25,1.25) 5(-4.25,0.75) 6(-4.25,0.25) 7(-4.25,-0.25) 8(-4.25,-0.75) 9(-4.25,-1.25) 10(-4.25,-1.75) 11(-4.25,-2.25) 12(-4.25,-2.75) 25(4.25,-2.75) 26(4.25,-2.25) 27(4.25,-1.75) 28(4.25,-1.25) 29(4.25,-0.75) 30(4.25,-0.25) 31(4.25,0.25) 32(4.25,0.75) 33(4.25,1.25) 34(4.25,1.75) 35(4.25,2.25) 36(4.25,2.75)
  oval 0.3x1.45 smd: 13(-2.75,-4.25) 14(-2.25,-4.25) 15(-1.75,-4.25) 16(-1.25,-4.25) 17(-0.75,-4.25) 18(-0.25,-4.25) 19(0.25,-4.25) 20(0.75,-4.25) 21(1.25,-4.25) 22(1.75,-4.25) 23(2.25,-4.25) 24(2.75,-4.25) 37(2.75,4.25) 38(2.25,4.25) 39(1.75,4.25) 40(1.25,4.25) 41(0.75,4.25) 42(0.25,4.25) 43(-0.25,4.25) 44(-0.75,4.25) 45(-1.25,4.25) 46(-1.75,4.25) 47(-2.25,4.25) 48(-2.75,4.25)
  silkscreen extent -4.38,-3.13 3.13,3.57, body extent -4.5,-4.5 4.5,4.5, height 1.6
MAX22501EATA+ [mm] "QFN, 8-Leads, Body 3.00x3.00mm, Pitch 0.65mm/0.50mm, Thermal Pad 2.30x1.50mm, IPC Medium Density"
  rect 0.3x0.7 smd: 1(-0.975,-1.5) 2(-0.325,-1.5) 3(0.325,-1.5) 4(0.975,-1.5) 5(0.975,1.5) 6(0.325,1.5) 7(-0.325,1.5) 8(-0.975,1.5)
  rect 2.3x1.5 smd: 9(0,0)
  silkscreen extent -2.42,-1.8 1.7,1.7, body extent -1.55,-1.55 1.55,1.55, height 0.8
MIC5309 [mm]
  rect 0.606x0.225 smd paste+0 mask+0: 1(-0.722,0.5) 2(-0.722,0) 3(-0.722,-0.5) 4(0.722,-0.5) 5(0.722,0) 6(0.722,0.5)
  rect 0.559x1.321 smd paste-0.648 mask+0: 7(0,0)
  silkscreen extent -1.47,-0.95 0.95,0.96, body extent -0.83,-0.83 0.83,0.83, height 0.62
Power_M3_Eyelet_Up [mm]
  body extent -2.79,-2.75 8.96,2.75, height 6.53
RES0402 [mm]
  rrect20% 0.6x0.6 smd: 1(-0.55,0) 2(0.55,0)
  body extent -0.5,-0.25 0.5,0.25, height 0.3
RES0603 [mm] "Chip Resistor, 2-Leads, Body 1.6x0.8mm, IPC Medium Density"
  rrect20% 0.95x1 smd: 1(-0.725,0) 2(0.725,0)
  body extent -0.8,-0.4 0.8,0.4, height 0.45
RES0805 [mm]
  rect 0.7x1.3 smd: 1(-0.95,0) 2(0.95,0)
  silkscreen extent -1.65,-1 1.65,1, body extent -1,-0.63 1,0.62, height 0.5
"RES2512 - KELVIN" [mm] "Chip Resistor, 2-Leads, Body 6.30x3.20mm, IPC Medium Density"
  rect 3.4x1.2 smd: 1(-2.5,1.4) 1(-2.5,-1.4) 2(2.5,1.4) 2(2.5,-1.4)